# Altium PCB bqCNC.PcbDoc (part 2 of 6)
Units mm, origin at the board's own origin, x right, y up, seen from the top; angles counter-clockwise.
Board outline 136 x 100 mm, 4 copper layers (Top Layer, Power Layer, Signal Layer 1, GND Layer), stack 1.584 mm thick; 429 components, 259 nets, 1361 pads, 782 vias.
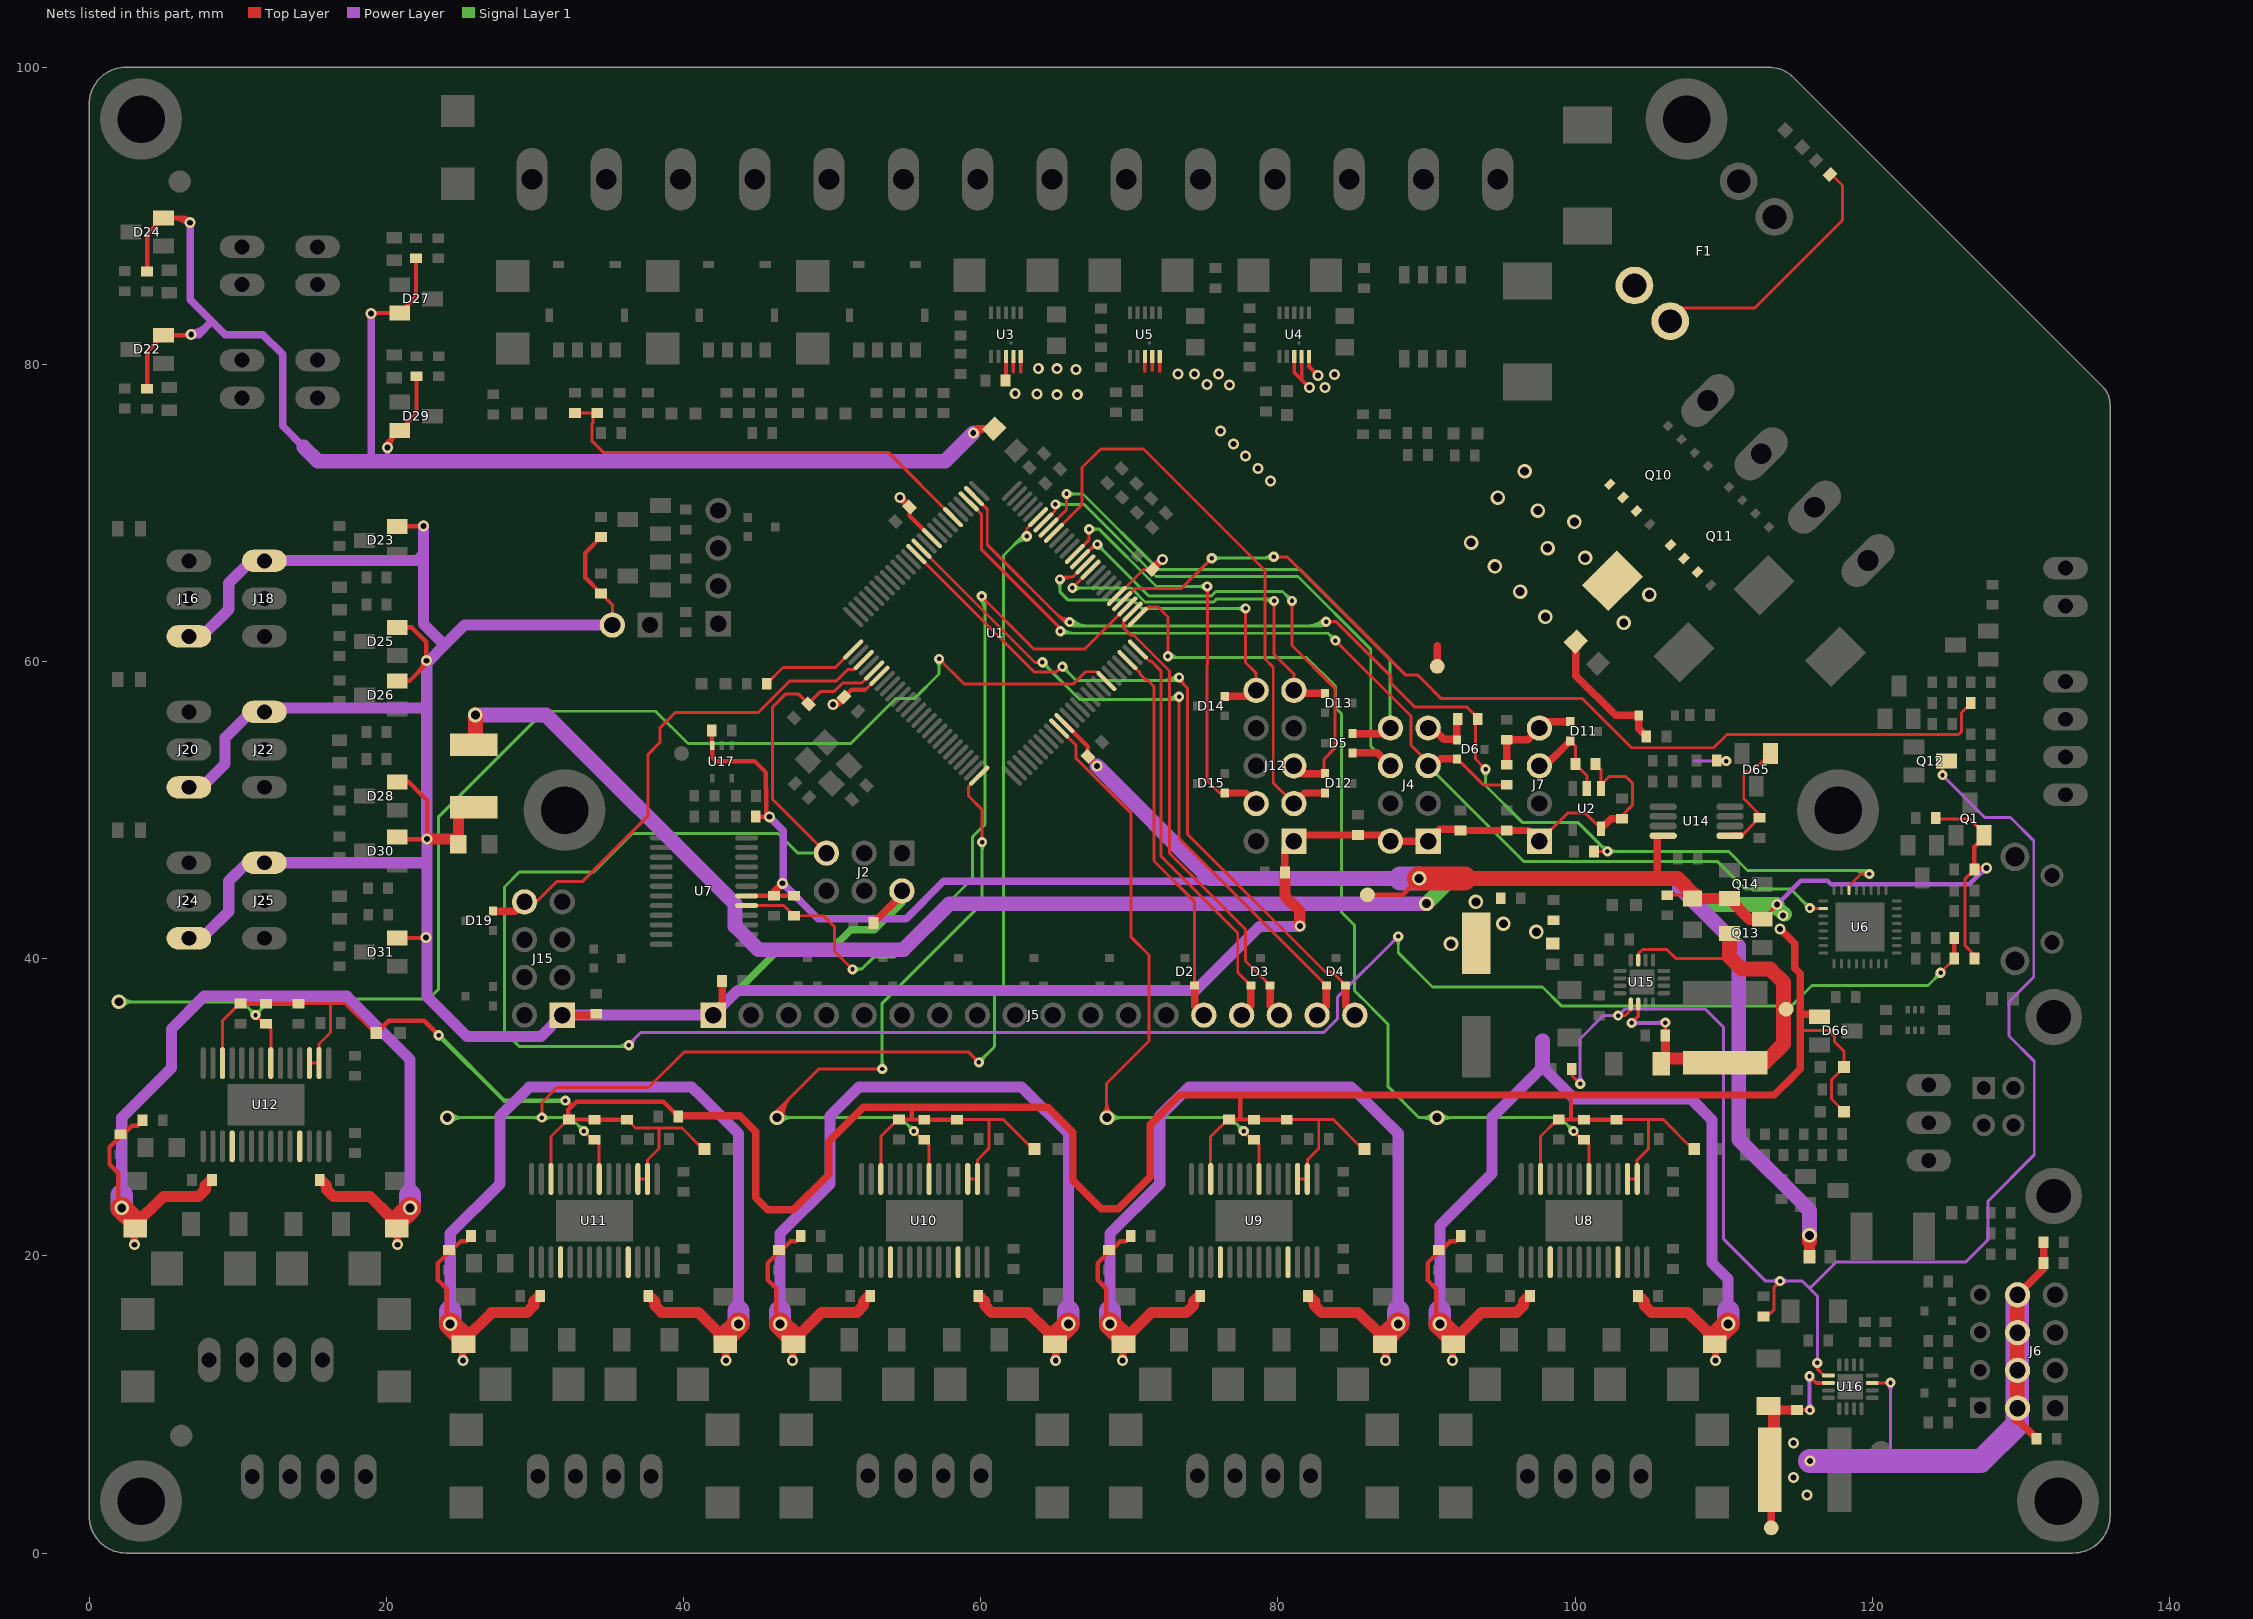
[diagram p4: the nets of this part, all layers, seen from the top]

## Part data
C1 C2: library part C0603_22pF_16V_±10%
C3 C5 C6 C7 C8 C9 C10 C12 C13 C14 C15 C16 C17 C18 C19 C21 C22 C23 C42 C45 C46 C53 C97 C102 C108 C113: library part C0603_100nF_16V_±10%
C4 C44 C112: library part C0603_1uF_16V_±10%_X7R, "Capacitor SMD"
C11 C41: library part C0603_10nF_16V_±10%, "Capacitor SMD"
C20 C25 C27 C29 C31 C54 C95: library part C0603_1uF_16V_±10%_X7R
C24 C26 C28 C30 C32 C33: library part C0603_100pF_16V_±10%
C34 C37 C39 C96: library part C0805_1uF_25V_X7R
C35 C36 C38 C40 C43: library part C0603_10nF_25V_±10%
C47 C48: library part C0603_47pF_16V_±10%
C49 C50 C56 C65 C74 C83 C92: library part C0603_100nF_16V_±10%, "Capacitor SMD"
C55 C64 C73 C82 C91: library part C0805_10nF_50V_±10%, "Capacitor SMD"
C57 C59 C66 C68 C75 C77 C84 C86 C93 C123: library part C0603_100nF_25V_±10%, "Capacitor SMD"
C58 C60 C67 C69 C76 C78 C85 C87 C94 C101 C107 C124: library part C1206_10uF_25V_±10%, "Capacitor SMD"
C62 C71 C80 C89 C126: library part C0603_470nF_16V_±10%, "Capacitor SMD"
C63 C72 C81 C90 C121 C127: library part C0603_10nF_25V_±10%, "Capacitor SMD"
C98 C99: library part C0805_4,7uF_10V_X7R
C103 C109: library part C1206_22uF_10V_±10%
C104 C110 C114 C115: library part C0603_100nF_25V_±10%
C105 C111: library part C0603_620pF_25V_±5%
C120: library part Cap_Al_180uF_20V, "Capacitor, Electrolytic, SMD"
C122: library part C0603_1nF_25V_±10%, "Capacitor SMD"
D1 D2 D3 D4 D5 D6 D7 D8 D9 D10 D11 D12 D13 D14 D15 D16 D17 D18 D19 D20 D21: "Dual ESD protection diode"
D22 D23 D24 D25 D26 D27 D28 D29 D30 D31: "Dual Schottky Diode"
D32 D35 D36 D37 D38 D39 D40: library part "TVS 14V SMB", "Transient Suppression Diodes"
D33 D34 D63: library part "TVS 14V SMC", "Transient Suppression Diodes"
D41 D42 D43 D44 D45 D46 D47 D48 D49 D50 D51 D52 D53 D54 D55 D56 D57 D58 D59 D60: library part "TVS 24Vdc", "Transient Suppression Diodes"
D61: "Diode Zener"
D62: library part "TVS 14V Bidir SMC", "Transient Suppression Diodes Bidirectional"
D64 D66: library part BAT54C, "Dual Schottky Diode Common Cathode"
D65: library part BAT54A, "Dual Schottky Diode Common Anode"
F1: library part "Mini Fuse Holder Vert TH", "Thermal fuse"
F2 F4: library part "FUSE 0.5A 15V", "PTC Resettable Fuse"
F3: library part "USB ESD Single", "USB ESD Protection"
FX1 FX2 FX3 FX4: library part FX_3_5pad
FX5 FX6: library part FX_3
I1: library part "Open HW Logo Small"
J1: library part CON_MTE_HDR_THT2.54_4, "1x4 MTE Straight Header 2.54mm"
J2: library part CON_DPH_THT2.54_6, "Connector, 6 pin Dual Header 2.54mm"
J3 J17 J19 J21 J23: library part CON_MTE_HDR_THT2.54_2, "1x2 MTE Straight Header 2.54mm"
J4 J6: library part CON_DPH_THT2.54_8, "Connector, 8 pin Dual Header 2.54mm"
J5: library part CON_PH_THT2.54_18
J7: library part CON_SH_THT2.54_4, "4 pin Socket Header 2.54mm"
J8 J13: library part CON_PH_THT2.54_4
J9: library part TB_4_RA_Plug_5.08, "Connector, Plugable Terminal  Block  - Plug 4p"
J10: library part TB_4_RA_Header_5.08, "Connector, Plugable Terminal  Block  - Header 4p"
J12: library part CON_DPH_THT2.54_10, "10 pin Dual Header 2.54mm"
J14: library part CON_PH_THT2.54_2, "1x2 pin Header 2.54mm"
J15: library part CON_DPH_THT2.54_8, "8 pin Dual Header 2.54mm"
J16 J18 J20 J22 J24 J25 J34: library part CON_MTE_HDR_THT2.54_3, "1x3 MTE Straight Header 2.54mm"
J26 J27 J28 J29 J30 J31 J32: library part TB_5.00_2_Screw_15A, "Terminal Block Fixed with Screw"
J33: library part "USB RA Type B", "USB Type B"
J35 J36 J37 J38 J39 J40: library part CON_MTE_HDR_THT2.54_4, "Connector, 1x4 MTE Straight Header 2.54mm"
J41: library part TB_2_RA_Plug_5.08, "Connector, Plugable Terminal  Block  - Plug 2p"
J42: library part TB_2_RA_Header_5.08, "Connector, Plugable Terminal  Block  - Header 2p"
L1: library part 10uH_0,1A
L2: library part L0603_120R_0,025R_3000mA
L3 L4: library part 2,2uH_3,7A
L5 L6 L7: library part L0603_120R_0,025R_3000mA, "Ferrite Bead"
LD1: library part HSMH-C190, "Light Emitting Diode"
LD2: library part HSMY-C190, "Light Emitting Diode"
LD3 LD4 LD5 LD6 LD7 LD8: library part HSMG-C190, "Light Emitting Diode"
LD9: library part HSMY-C190, "LED"
LD10 LD11: library part "LW Q38G-Q2R3", "LED"
LD12 LD13 LD14 LD15 LD16: library part HSMH-C190, "LED"
Q1 Q9 Q13 Q14: library part DMP2035U, "Mosfet Channel P Enhancement Mode"
Q2 Q3 Q4 Q12 Q15: "Mosfet Channel N Enhancement Mode"
Q5 Q6 Q7 Q8: "Power SO8 N-MOSFET"
Q10 Q11: "PFET Power SO8"
R1 R3 R6 R7 R9 R13 R23 R25 R26 R28 R29 R31 R32 R34 R35 R36 R41 R42 R44 R45 R47 R51 R52 R54 R58 R59 R93: library part R0603_1k_0.1W_±5%
R2 R5 R49 R57 R63 R91 R96 R97 R99 R100: library part R0603_10k_0.1W_±5%
R4 R10 R38 R103: library part R0603_100k_0.1W_±5%
R8: library part R0603_100R_0.1W_±5%, "Resistor, SMD"
R11: library part R0603_4k7_0.1W_±5%, "Resistor, SMD"
R12 R19 R20 R21 R22: library part R0603_4k7_0.1W_±5%
R14: library part R0603_2k2_0.1W_±5%
R15 R16 R17 R18: library part R0603_100R_0.1W_±5%, "Resistor"
R24 R27 R30 R33: library part R0603_4k7_0.1W_±1%
R37 R43 R46 R50 R53 R56: library part R0603_3k3_0.1W_±5%
R39 R48 R55: library part R0603_130k_0.1W_±1%
R40: library part R0603_22k_0.1W_±5%
R60 R110: library part R0603_22k_0.1W_±5%, "Resistor, SMD"
R61 R62 R111: library part R0603_470R_0.1W_±5%, "Resistor, SMD"
R64 R70 R77 R86 R114 R117 R122: library part R0603_1k_0.1W_±5%, "Resistor, SMD"
R65 R71 R72 R80 R81 R87 R92 R113 R118 R119 R123 R961 R962 R963 R964 R965: library part R0603_10k_0.1W_±5%, "Resistor, SMD"
R66 R75 R82 R94 R120: library part R0603_1M_0.1W_±5%, "Resistor, SMD"
R68 R69 R73 R74 R78 R79 R83 R84 R88 R89: library part SensR_R1206_R100_0,50W, "Resistor, current sensor"
R90: library part R0603_6k8_0.1W_±5%, "Resistor, SMD"
R98: library part R0603_15k_0.1W_±1%
R101: library part R0603_1k8_0.1W_±5%, "Resistor, SMD"
R102: library part R0603_10k_0.1W_±1%
R104 R105: library part R0603_100k_0.1W_±5%, "Resistor"
R106 R107 R108 R109: library part R0603_470R_0.1W_±5%
R112: library part R0603_2k2_0.1W_±5%, "Resistor, SMD"
R115: library part R0603_10k_0.1W_±1%, "Resistor, SMD"
R116: library part R0603_15k_0.1W_±1%, "Resistor, SMD"
RV1 RV2 RV3 RV4 RV5 RV6 RV7 RV8 RV9 RV10: library part "Varistor 14V SMD"
SW1: library part "SW Vertical THT", "Micro miniature pushbutton surface Switch"
TP1 TP2 TP3 TP4 TP5: library part TP_SMD_1mm
U1: library part Atmega2560, "8-bit AVR Microcontroller, 4.5-5.5V, 16MHz, 256KB Flash, 4KB EEPROM, 8KB SRAM, 86 GPIO pins, 100-pin TQFP, Industrial Grade (-40°C to 85°C), Pb-Free"
U2: library part SN74AHCT1G08, "Dual AND Gate Single Ouput"
U3 U4 U5: "12V eFuse, 28 mR, 2 to 5A"
U6: library part FT232RQ, "IC USB TO SERIAL UART 32-QFN"
U7: library part AD5206, "6-Channel Digital Potentiometer, 10K"
U8 U9 U10 U11 U12: "Stepper Motor Controller IC"
U14: library part FAN4274, "Operational Amplifier Dual 3.7MHz"
U15 U16: "3A High Efficient Synchronous Step Down Converter with DCS™ Control"
U17: "Adjustable Shunt Voltage Regulator"
Y1: "Crystal"

## Via types
v1: diameter 0.66/0.74/0.74/0.66 (per signal layer), hole 0.4, Top Layer to GND Layer, 361 vias
v2: diameter 0.56/0.68/0.68/0.56 (per signal layer), hole 0.3, Top Layer to GND Layer, 323 vias
v3: diameter 0.86/0.98/0.98/0.86 (per signal layer), hole 0.6, Top Layer to GND Layer, 76 vias
v4: diameter 1, hole 0.6, Top Layer to GND Layer, tented bottom, 20 vias
v5: diameter 0.56/0.68/0.68/0.56 (per signal layer), hole 0.4, Top Layer to GND Layer, 1 vias
v6: diameter 0.56, hole 0.3, Top Layer to GND Layer, 1 vias

## Nets (pads, with @x,y where several pads share a name; then routed paths per layer and width w, separated by ;. In a path a pad name is that pad's centre, name@x,y a point inside that pad or via, vN(x,y) a via of type N, cw(c..) or ccw(c..) an arc to the next point about the centre after c; other vN are vias at no path point)
3V3_RX: D11.2 J7.3 R11.1 U2.2 | length 6.4
  Top Layer w0.2: D11.2@99.675,54.65 100.025,54.3 R11.1@100.025,53.1 100.79,52.335 U2.2@100.79,51.446
  Top Layer w0.5: J7.3@97.6,52.98 98.005,52.98 D11.2@99.675,54.65
3V3_TX: D11.1 J7.4 R13.2 R14.2 | length 6.5
  Top Layer w0.5: R13.2@95.4,53.05 R14.2@95.4,54.725 96.805,54.725 J7.4@97.6,55.52 98.03,55.95 D11.1@99.675,55.95
5V: C5.2 C6.2 C7.2 C8.2 C49.2 C50.2 C53.2 C98.2 D22.2 D24.2 D27.2 D29.2 D66.1 F4.1 L1.1 LD8.A LD9.A LD12.A LD13.A LD14.A LD15.A LD16.A Q1.2 Q13.2 Q14.2 R4.2 R5.2 R24.2 R27.2 R30.2 R33.2 R63.1 R64.2 R65.1 R71.2 R72.1 R80.2 R81.1 R87.2 R92.1 R101.2 R110.2 R118.2 R119.1 R123.2 R961.1 R962.1 R963.1 R964.1 R965.1 TP4.1 U1.10 U1.31 U1.61 U1.80 U7.6 U8.16 U8.17 U8.26 U9.16 U9.17 U9.26 U10.16 U10.17 U10.26 U11.16 U11.17 U11.26 U12.16 U12.17 U12.26 U14.8 U17.3 | length 614.3
  Top Layer w0.2: U12.26@8.979,32.975 8.979,35.829 R119.1@10.175,37.025 ; R965.1@14.125,36.975 16.25,36.975 ; U12.17@14.825,32.979 U12.17@14.829,32.975 U12.16@15.475,32.975 ; U12.16@15.479,32.975 15.479,34.254 16.25,35.025 16.25,36.975 ; LD16.A@19.3,35.1 19.1,35.1 17.225,36.975 16.25,36.975 ; U11.26@31.079,25.175 31.079,28.029 32.229,29.179 R92.1@32.275,29.225 ; R964.1@36.175,29.2 36.775,28.6 38.35,28.6 ; U11.17@36.925,25.179 U11.17@36.929,25.175 U11.16@37.575,25.175 ; U11.16@37.579,25.175 37.579,26.454 38.35,27.225 38.35,28.6 ; C49.2@39.65,29.425 39.662,29.413 39.673,29.402 C49.2@39.675,29.4 ; LD15.A@41.4,27.3 41.2,27.3 39.9,28.6 38.35,28.6 ; 52.2,58.1 52.25,58.1 U1.31@53.186,59.036 ; U10.26@53.279,25.175 53.279,28.029 R81.1@54.475,29.225 ; R963.1@58.425,29.175 60.55,29.175 ; U10.17@59.125,25.179 U10.17@59.129,25.175 U10.16@59.775,25.175 ; U10.16@59.779,25.175 59.779,26.454 60.55,27.225 60.55,29.175 ; LD14.A@63.6,27.3 63.4,27.3 61.525,29.175 60.55,29.175 ; U1.80@69.167,64.41 70.953,66.196 C7.2@71.554,66.196 ; U9.26@75.479,25.175 75.479,28.029 R72.1@76.675,29.225 ; R962.1@80.625,29.175 82.75,29.175 ; U9.17@81.325,25.179 U9.17@81.329,25.175 U9.16@81.975,25.175 ; U9.16@81.979,25.175 81.979,26.454 82.75,27.225 82.75,29.175 ; LD13.A@85.8,27.3 85.6,27.3 83.725,29.175 82.75,29.175 ; U8.26@97.679,25.175 97.679,28.029 R65.1@98.875,29.225 ; R961.1@102.825,29.175 104.95,29.175 ; U8.17@103.525,25.179 U8.17@103.529,25.175 U8.16@104.175,25.175 ; U8.16@104.179,25.175 104.179,26.454 104.95,27.225 104.95,29.175 ; R101.2@106.2,44.275 107.675,44.275 C98.2@108.025,44.275 ; 106.95,45 106.95,45.075 ; LD12.A@108,27.3 107.8,27.3 105.925,29.175 104.95,29.175 ; Q13.2@112.6,42.65 v1(113.6,43.65) ; v1@113.37,43.65 cw(c112.815,43.65) 113.207,43.257 cw(c113.6,42.865) v1@113.6,43.42 ; 115.175,35.175 117.084,35.175 117.443,34.816 117.443,34.432 118.1,33.775 LD9.A@118.1,32.7 117.25,31.85 117.25,30.55 LD8.A@118.1,29.7 ; R110.2@124.406,49.209 124.597,49.4 126.55,49.4 127.3,48.65 Q1.2@127.3,48.125 ; R5.2@126.875,40 126.875,40.251 126.25,40.876 126.25,45.375 R4.2@126.875,46
  Top Layer w0.3: R24.2@3.9,78.349 3.9,80.85 D22.2@5,81.95 6.825,81.95 v1(6.875,82) ; R27.2@3.9,86.249 3.9,88.75 D24.2@5,89.85 6.475,89.85 v1(6.8,89.525) ; D24.2@5.581,89.85 cw(c5.581,88.306) v1@6.673,89.398 ; 6.305,89.85 cw(c6.305,89.03) v1@6.885,89.61 ; 6.32,81.95 ccw(c6.32,82.555) v1@6.748,82.127 ; v1@6.62,89.525 ccw(c6.185,89.525) 6.493,89.832 ccw(c6.8,90.14) v1@6.8,89.705 ; R119.1@10.2,36.979 R123.2@11.879,36.979 ; R123.2@11.9,36.971 R965.1@14.096,36.971 ; v1(18.975,83.425) 19,83.45 D27.2@20.9,83.45 22,84.55 R30.2@22,87.125 ; v1@19.102,83.298 cw(c19.47,82.93) 19.47,83.45 ; v1@19.102,83.552 ccw(c19.349,83.799) 19.349,83.45 ; LD16.A@19.322,34.986 20.161,35.825 22.55,35.825 v2(23.525,34.85) ; v1@19.955,74.4 cw(c20.45,74.4) v1@20.1,74.75 ; v1(20.075,74.4) 20.075,74.725 D29.2@20.9,75.55 22.034,76.684 R33.2@22.034,79.185 ; v1@20.255,74.4 cw(c21.474,74.4) D29.2@20.612,75.262 ; v2@23.395,34.85 ccw(c23.081,34.85) 23.303,35.072 ccw(c23.525,35.294) v2@23.525,34.98 ; v2@32.05,30.32 cw(c32.05,29.885) 32.357,30.193 ; v2(32.05,30.45) 32.075,30.475 32.487,30.063 ; R92.1@32.229,29.179 R92.1@32.3,29.179 33.979,29.179 R118.2@34,29.2 ; R92.1@32.25,29.225 32.25,29.825 32.487,30.063 ; R118.2@34,29.171 R964.1@36.196,29.171 ; C49.2@39.65,29.375 38.65,30.375 32.8,30.375 32.487,30.063 ; U17.3@41.894,54.331 C50.2@41.894,55.365 ; U17.3@41.935,54.344 41.935,53.54 42.175,53.3 44.775,53.3 45.55,52.525 45.55,51.51 45.556,51.504 v1@45.556,49.744 ; U7.6@44.25,44.225 45.707,44.225 C53.2@46.097,44.235 47.423,44.235 R63.1@47.428,44.24 ; R64.2@44.95,49.6 45,49.55 v1@45.75,49.55 ; v1(45.775,49.55) v1@45.75,49.55 ; v1@45.85,49.45 v1@45.75,49.55 ; C6.2@50.8,57.604 50.816,57.604 51.311,58.1 52.2,58.1 ; R81.1@54.5,29.179 55.375,29.179 ; C5.2@55.21,70.388 55.21,69.812 U1.10@56.722,68.299 ; 55.35,29.95 55.375,29.925 55.375,29.179 ; R87.2@56.2,29.171 R963.1@58.396,29.171 ; R87.2@56.2,29.2 56.179,29.179 55.375,29.179 ; U1.61@65.632,55.854 67.217,54.269 C8.2@67.217,53.614 v1@67.631,53.2 ; R72.1@76.7,29.179 77.475,29.179 ; 77.55,30.875 77.5,30.825 77.475,30.8 77.475,29.179 ; R80.2@78.4,29.171 R962.1@80.596,29.171 ; R80.2@78.4,29.2 78.379,29.179 77.475,29.179 ; TP4.1@86.025,44.3 88.4,44.3 v3(89.5,45.4) v3@89.6,45.5 ; R65.1@98.9,29.179 99.725,29.179 ; 99.725,30.875 99.725,30.825 99.725,29.179 ; R71.2@100.6,29.171 R961.1@102.796,29.171 ; R71.2@100.6,29.2 100.579,29.179 99.725,29.179 ; U14.8@105.925,48.275 105.975,48.225 U14.8@106.425,48.225 ; Q1.2@127.15,47.8 126.875,47.525 R4.2@126.875,46 126.975,46.1 v1(127.7,46.1) ; v1@127.573,45.973 ccw(c127.265,45.665) 127.265,46.1 ccw(c127.265,46.535) v1@127.573,46.227
  Top Layer w0.5: C49.2@39.65,29.4 39.675,29.425 43.8,29.425 44.875,28.35 44.875,23.9 45.675,23.1 47.4,23.1 49.775,25.475 49.775,27.675 52.1,30 64.525,30 66.2,28.325 66.2,25.1 68.125,23.175 69.25,23.175 71.4,25.325 71.4,28.825 73.4,30.825 77.5,30.825 99.725,30.825 113.4,30.825 113.67,31.095 113.67,31.098 114.127,31.555 114.13,31.555 115.15,32.575 115.15,39 114.78,39.37 114.78,41.02 v1(113.8,42) ; C53.2@46.097,44.235 46.097,44.497 v1(46.675,45.075) ; v1(50.05,57.1) 50.175,57.225 50.421,57.225 ; v1@50.05,57.18 ccw(c50.05,57.966) C6.2@50.606,57.41 ; v1@50.086,57.171 ccw(c50.216,57.429) 50.421,57.225 ; v1@50.118,57.057 cw(c50.421,56.867) 50.421,57.225 ; C6.2@50.8,57.604 50.421,57.225 ; v1(54.575,71.025) 54.575,71.022 C5.2@55.21,70.388 ; v1(59.5,75.375) 59.803,75.678 L1.1@60.898,75.678 ; v1@59.557,75.318 cw(c60.425,74.45) L1.1@60.425,75.678 ; C7.2@71.554,66.196 72.225,66.867 v1(72.225,66.875) ; 105.525,45.75 U14.8@105.525,48.2 ; 115.2,36.25 116.285,36.25 D66.1@116.443,36.091
  Top Layer w0.75: C98.2@107.9,44.2 108.05,44.05 Q14.2@110.35,44.05 ; Q14.2@110.4,44.05 Q14.2@110.35,44.05 ; Q13.2@112.6,42.65 111.75,42.65 Q14.2@110.35,44.05
  Top Layer w1: F4.1@25.9,54.4 26,54.5 v3(26,56.4) ; 92.55,45.4 100.625,45.4 106.9,45.4 C98.2@108.025,44.275 ; C98.2@107.675,44.275 C98.2@107.9,44.05
  Top Layer w1.6: v3(89.5,45.4) 92.55,45.4
  Power Layer w0.3: v1@19.919,74.244 cw(c19.544,73.869) 20.075,73.869 cw(c20.606,73.869) v1@20.231,74.244 ; v1(20.075,74.4) 20.075,73.55 20.15,73.475 ; v1@113.6,43.7 113.65,43.7 115.19,45.24 116.986,45.24 117.226,45 126.525,45 v1@127.675,46.15 ; v1@113.6,43.87 ccw(c113.6,44.401) 113.976,44.026 ccw(c114.351,43.65) v1@113.82,43.65 ; 127.196,45.671 cw(c127.7,45.168) v1@127.7,45.88 ; 127.377,45.852 ccw(c127.13,46.1) v1@127.48,46.1 ; v1(127.7,46.1) v1@127.8,46.1
  Power Layer w0.5: v1(6.8,89.525) 6.8,84.35 8.262,82.887 ; v1(6.875,82) 7.375,82 8.262,82.887 ; v1@6.875,82.12 ccw(c6.875,83.617) 7.933,82.558 ; 14.45,74.425 13.025,75.85 13.025,80.675 11.7,82 9.15,82 8.262,82.887 ; 18.95,73.475 18.975,73.5 v1(18.975,83.425) ; v1(45.775,49.55) 46.715,48.61 46.715,45.115 v1(46.675,45.075) 49.05,42.7 55,42.7 57.5,45.2 75.6,45.2 ; v1@46.59,45.16 ccw(c46.289,45.461) 46.715,45.461
  Power Layer w1: 14.45,74.425 15.4,73.475 18.95,73.475 20.15,73.475 57.6,73.475 v1(59.5,75.375) ; v3(26,56.4) 30.75,56.4 43.475,43.675 43.475,42.175 45.05,40.6 54.8,40.6 57.9,43.7 v3(90,43.7) ; v1(67.825,52.975) 75.4,45.4 88.25,45.4
  Power Layer w1.6: 88.25,45.4 v3(89.5,45.4)
  Signal Layer 1 w0.3: v2@23.525,34.66 cw(c23.525,34.201) 23.849,34.526 cw(c24.174,34.85) v2@23.715,34.85 ; v2(23.525,34.85) 27.925,30.45 v2(32.05,30.45) ; v2@31.916,30.316 ccw(c31.591,29.991) 31.591,30.45 ccw(c31.591,30.909) v2@31.916,30.584
  Signal Layer 1 w1: v3(90,43.7) 91.7,45.4 106.7,45.4 108.45,43.65 v1(113.6,43.65) ; 112.503,43.65 cw(c112.503,41.403) v1@114.092,42.992
  other v1: 114,42.9
5V_2A: C102.2 C103.2 L3.2 Q13.3 TP1.1 U15.7 U15.14 | length 34.9
  Top Layer w0.2: U15.7@104.25,39.9 104.25,40.332 104.543,40.625 106.175,40.625 106.8,40 110,40 110.4,40.4
  Top Layer w0.25: v2(103.8,35.675) 104.25,36.125 U15.14@104.25,36.95 ; v2@103.8,35.83 ccw(c103.8,36.204) 104.065,35.94 ccw(c104.329,35.675) v2@103.955,35.675 ; v2@105.965,35.59 cw(c105.701,35.326) 106.075,35.326 cw(c106.449,35.326) v2@106.185,35.59 ; C103.2@106.075,33.2 C103.2@106.15,33.275 ; C102.2@106.075,34.825 v2(106.075,35.7)
  Top Layer w0.5: TP1.1@114.025,36.8 114.15,36.675 TP1.1@114.225,36.675
  Top Layer w0.6: C103.2@106.075,33.2 C102.2@106.075,34.825
  Top Layer w0.8: C103.2@106.15,33.275 L3.2@109.9,33.275
  Top Layer w1: L3.2@110.1,33 112.77,33 114.025,34.255 114.025,36.8 114.025,38.415 113.14,39.3 111.2,39.3 110.4,40.1 110.4,40.4 Q13.3@110.4,41.7
  Power Layer w0.25: v2(103.8,35.675) 105.9,35.675 106,35.775 v2(106.075,35.7) ; v2@103.952,35.523 cw(c104.319,35.156) 104.319,35.675 cw(c104.319,36.194) v2@103.952,35.827 ; 105.496,35.675 ccw(c105.496,36.279) v2@105.923,35.852 ; 105.616,35.675 cw(c105.616,35.241) v2@105.923,35.548
5V_EN: Q12.3 R104.2 R105.2 U15.13 U16.13 | length 103.9
  Top Layer w0.2: R104.2@99.8,32.625 99.8,32.125 v2(100.35,31.575) ; v2@100.17,31.575 ccw(c99.735,31.575) 100.043,31.882 ccw(c100.35,32.19) v2@100.35,31.755 ; v2(102.9,36.175) 103.375,36.175 103.75,36.55 U15.13@103.75,36.95 ; R105.2@112.9,15.9 113.4,16.4 113.4,17.9 v2(113.8,18.3) ; v2@113.62,18.3 cw(c113.185,18.3) 113.493,17.993 cw(c113.8,17.685) v2@113.8,18.12 ; v2@116.181,12.665 cw(c115.946,12.4) 116.3,12.4 ; v2(116.3,12.8) 116.3,12.4 ; v2@116.419,12.665 ccw(c116.654,12.4) 116.3,12.4 ; U16.13@117.05,11.95 116.75,11.95 116.3,12.4 ; v2(124.725,52.35) 124.725,53.025 Q12.3@125,53.3
  Power Layer w0.2: v2@100.18,31.745 ccw(c99.831,32.094) 100.325,32.094 ; v2@100.325,31.7 100.325,34.6 101.9,36.175 v2(102.9,36.175) ; 100.325,32.215 ccw(c100.99,32.215) v2@100.52,31.745 ; v2@102.95,36.2 103.35,36.6 108.775,36.6 110,35.375 110,21.125 112.825,18.3 v2(113.8,18.3) 115.3,18.3 116.3,17.3 v2(116.3,12.8) ; v2@113.63,18.13 ccw(c113.221,17.721) 113.221,18.3 ccw(c113.221,18.879) v2@113.63,18.47 ; v2@113.97,18.13 cw(c114.379,17.721) 114.379,18.3 cw(c114.379,18.879) v2@113.97,18.47 ; 115.7,17.9 115.9,17.9 117.6,19.6 126.3,19.6 127.8,21.1 127.8,23.7 130.9,26.8 130.9,33.1 129.2,34.8 129.2,37.1 130.865,38.765 130.865,47.935 129.3,49.5 127.575,49.5 v2(124.725,52.35)
5V_IO: C10.2 C13.1 C14.1 C15.1 C16.1 C17.2 C21.2 C23.2 C99.2 D23.2 D25.2 D26.2 D28.2 D30.2 D31.2 F4.2 J2.2 J4.1 J4.2 J5.1 J7.1 J12.1 J14.2 J15.1 J16.3 J18.3 J20.3 J22.3 J24.3 J25.3 R11.2 R19.1 R20.1 U2.1 U2.5 | length 258.2
  Top Layer w0.2: R20.1@34.45,64.575 35.21,63.815 J14.2@35.21,62.45 ; J7.1@97.6,47.9 99.5,49.8 100.686,49.8 U2.5@101.74,48.746 ; R11.2@101.375,53.1 101.74,52.735 U2.1@101.74,51.69 ; U2.1@101.74,51.446 U2.1@101.74,51.69 ; C17.2@103.15,49.425 103.15,49.626 103.85,50.326 103.85,51.816 103.411,52.255 102.305,52.255 U2.1@101.74,51.69
  Top Layer w0.3: D31.2@20.743,41.393 22.643,41.393 v1(22.675,41.425) ; D30.2@20.743,48.193 20.886,48.05 v1(22.75,48.05) 22.75,50.65 21.507,51.893 D28.2@20.743,51.893 ; D26.2@20.743,58.693 21.568,58.693 22.7,59.825 v1(22.7,60.05) 22.7,61.3 21.707,62.293 D25.2@20.743,62.293 ; D23.2@20.743,69.093 22.468,69.093 v1(22.5,69.125) ; 21.988,69.093 ccw(c21.988,69.637) v1@22.373,69.252 ; v1@22.143,69.093 cw(c22.143,68.768) v1@22.373,68.998 ; 22.163,41.393 ccw(c22.163,41.937) v1@22.548,41.552 ; 22.234,59.359 ccw(c21.542,60.05) v1@22.52,60.05 ; v1@22.318,41.393 cw(c22.318,41.068) v1@22.548,41.298 ; v1@22.573,60.177 ccw(c22.265,60.485) 22.7,60.485 ccw(c23.135,60.485) v1@22.827,60.177 ; v1@22.623,47.923 ccw(c22.315,47.615) 22.315,48.05 ccw(c22.315,48.485) 22.623,48.177 ccw(c22.315,48.485) 22.75,48.485 ccw(c23.185,48.485) v1@22.877,48.177 ; R20.1@34.45,64.575 33.4,65.625 33.4,67.325 R19.1@34.45,68.375
  Top Layer w0.5: J15.1@31.84,36.2 34.039,36.2 C23.2@34.126,36.287 ; J5.1@42,36.2 42.595,36.795 C15.1@42.595,38.486 ; C10.2@52.783,42.398 54.7,44.315 J2.2@54.7,44.5 ; C21.2@80.475,45.8 J12.1@80.475,47.294 ; J12.1@81.079,47.898 81.506,48.325 C13.1@85.4,48.325 87.135,48.325 87.56,47.9 90.1,47.9 90.9,48.7 92.225,48.7 C14.1@92.3,48.625 C16.1@95.4,48.625 96.875,48.625 J7.1@97.6,47.9 ; U2.5@101.74,48.746 102.419,49.425 C17.2@103.15,49.425
  Top Layer w0.75: v1(22.75,48.05) 24.5,48.05 C99.2@24.85,47.7 24.85,49.675 25.375,50.2 F4.2@25.9,50.2 ; C21.2@80.475,45.8 80.475,44.2 81.475,43.2 v1(81.475,42.2) ; J12.1@81.079,47.898 J12.1@81.475,47.502